# KiCad board Tanner 64k SRAM.kicad_pcb (continued)
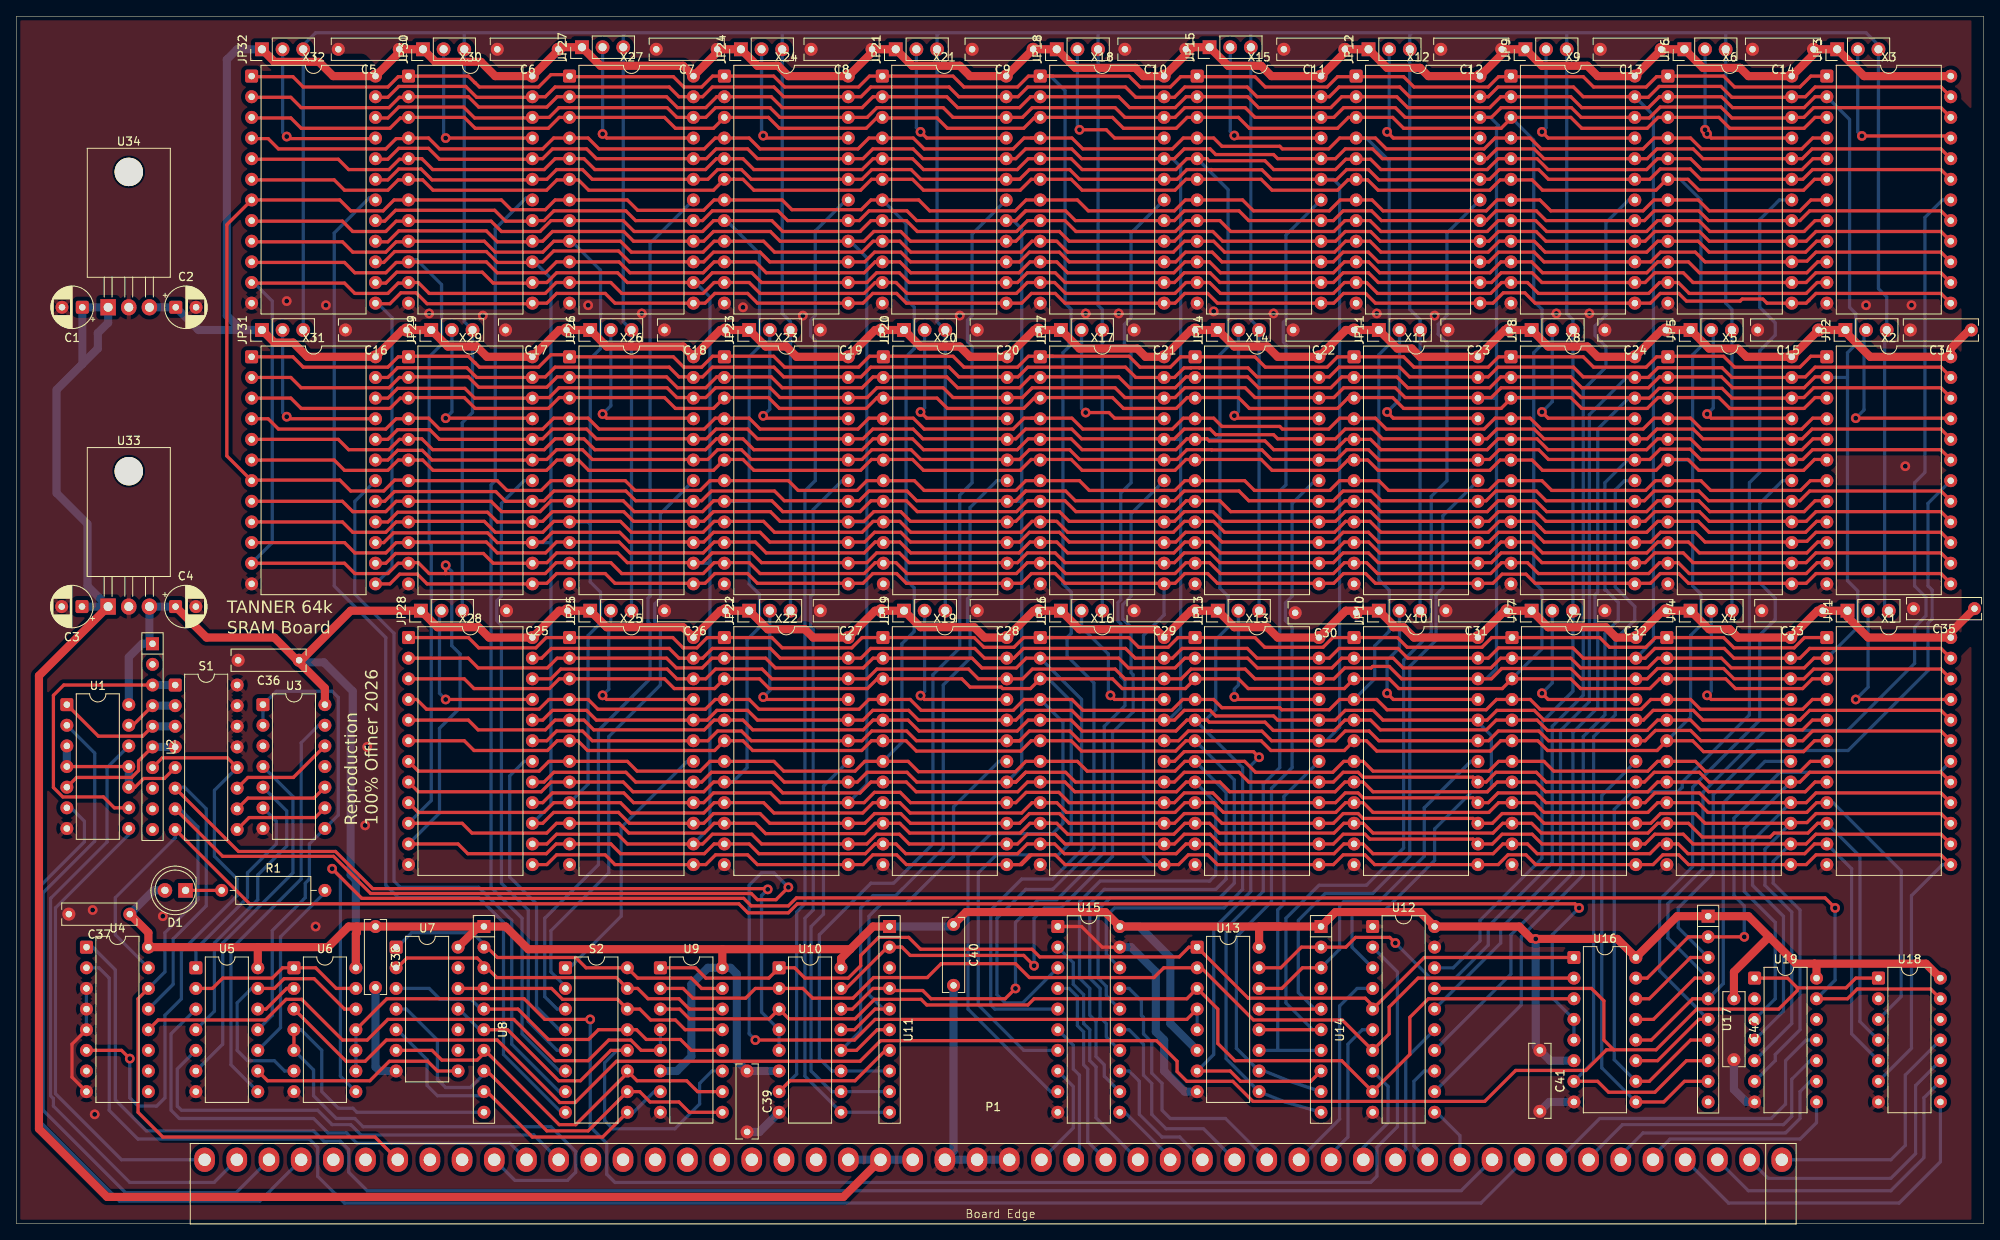
[diagram p0: board, top side]
## Routing (per net, layer and track width the routed paths; a pad name or vN(x,y) marks a point on that pad's centre or on a via; arc(x,y) is an arc through that point) (continued)
/A11: length 124.3
  Top w0.4: U16.1 173.23,32.77 U12.5 166.88,26.84 165.97,27.76 151.57,27.76 U13.1 144.27,34.04 143.07,32.84 125.91,32.84 124.97,33.78 111.25,33.78 109.8,35.24 106.1,35.24 103.89,33.02 103.89,31.75 102.36,30.23 97.03,30.23 95.76,31.5 U10.1 92.58,30.23 84.84,30.23 83.57,31.5 U9.1
/A12: length 126.7
  Top w0.4: U9.2 82.04,28.96 83.24,27.76 89.73,27.76 90.93,28.96 U10.2 96.77,28.96 97.97,27.76 102.94,27.76 105.48,30.3 112.08,30.3 113.79,32 122.94,32 124.64,30.3 139.98,30.3 141.18,31.5 U13.2 145.8,31.5 152.22,25.08 163.14,25.08 U12.7 168.91,23.37 168.91,26.67 172.47,30.23 U16.2
/A13: length 131.2
  Top w0.4: U9.3 81.62,26.42 82.82,25.22 92.65,25.22 U10.3 95.05,25.22 103.19,25.22 105.59,27.62 111.32,27.62 112.01,26.92 124.46,26.92 125.22,27.69 144.02,27.69 U13.3 147.83,26.42 147.83,22.18 149.94,20.07 163.07,20.07 U12.9 171.45,20.83 171.45,25.4 173.74,27.69 U16.3
/BA0: length 13.3
  Bottom w0.4: U15.8 130.05,16.89 130.05,11.79 P1.24
/BA1: length 17.4
  Bottom w0.4: P1.23 130.81,8.59 130.81,18.29 130.05,19.05 130.05,21.97 U15.6
/BA2: length 24.3
  Bottom w0.4: U15.4 129.54,28.96 130.56,27.94 130.56,24.38 131.32,23.62 131.32,19.56 131.83,19.05 131.83,10.1 P1.22
/BA3: length 30.2
  Bottom w0.4: P1.21 132.84,13.04 132.84,19.3 132.08,20.07 132.08,23.88 131.32,24.64 131.32,28.19 130.05,29.46 130.05,32.13 U15.2
/BA4: length 8.8
  Bottom w0.4: P1.20 141.97,8.14 136.4,13.72 U15.11
/BA5: length 17.1
  Bottom w0.4: U15.13 136.91,18.8 138.18,17.53 138.18,13.46 140.97,10.67 143.14,10.67 P1.19
/BA6: length 25.2
  Bottom w0.4: P1.18 146.08,11.68 141.48,11.68 139.7,13.46 139.7,17.27 138.68,18.29 138.68,22.1 136.91,23.88 U15.15
/BA7: length 33.2
  Bottom w0.4: P1.17 148.77,12.95 141.99,12.95 140.97,13.97 140.97,17.27 139.7,18.54 139.7,22.35 138.68,23.37 138.68,25.4 138.43,25.65 138.43,27.43 136.91,28.96 U15.17
/BA8: length 26
  Bottom w0.4: U12.4 164.97,28.96 162.81,26.8 162.81,12.88 P1.16
/BA9: length 18.9
  Bottom w0.4: P1.15 161.77,8.61 163.83,10.67 163.83,22.1 165.61,23.88 U12.6
/BA10: length 13
  Bottom w0.4: U12.8 168.78,16.89 168.78,12.45 165.73,9.4 P1.14
/BA11: length 18
  Bottom w0.4: U12.15 170.94,20.32 170.94,9.12 P1.13
/BA12: length 13.4
  Bottom w0.4: P1.12 171.96,9.57 171.96,17.53 173.23,18.8 U12.13
/BA13: length 7.3
  Bottom w0.4: U12.11 174.75,13.72 177.61,10.86 P1.11
/BA14: length 197.9
  Bottom w0.4: U4.1 9.4,34.04 12.19,31.24 12.19,15.24 16,11.43 36.58,11.43 37.85,10.16 39.88,10.16 40.89,9.14 40.89,6.35 43.18,4.06 177.76,4.06 P1.10
/BA15: length 202.7
  Bottom w0.4: P1.9 180.2,2.54 40.39,2.54 37.08,5.84 37.08,9.4 36.07,10.41 14.99,10.41 11.43,13.97 11.43,30.23 10.16,31.5 U4.2
/BA16: length 58.1
  Bottom w0.4: U1.8 13.84,47.88 4.83,38.86 4.83,16 12.95,7.87 P1.50
/BA17: length 76.1
  Bottom w0.4: U1.12 11.18,56.13 11.18,46.99 4.23,40.04 4.23,15.75 4.57,15.41 4.57,14.48 13.97,5.08 24.34,5.08 P1.49
/BA18: length 85.1
  Bottom w0.4: U1.2 9.65,57.91 9.65,47.08 3.3,40.73 3.3,13.97 13.46,3.81 27.03,3.81 P1.48
/BA19: length 80.7
  Bottom w0.4: U1.6 6.73,51.18 8.38,49.53 8.38,46.99 2.54,41.15 2.54,12.95 12.7,2.79 29.97,2.79 P1.47
/BD0: length 30.7
  Bottom w0.4: P1.1 230.63,7.87 232.41,9.65 232.41,18.29 U18.11
/BD1: length 35.3
  Bottom w0.4: U18.10 233.68,17.02 233.68,8.64 230.63,5.59 215.54,5.59 P1.2
/BD2: length 38.9
  Bottom w0.4: U18.9 234.7,15.49 234.7,8.13 230.63,4.06 213.1,4.06 P1.3
/BD3: length 43.1
  Bottom w0.4: U18.8 236.73,7.62 231.65,2.54 210.67,2.54 P1.4
/BD4: length 24.8
  Bottom w0.4: P1.5 201.37,8.33 203.45,10.41 219.46,10.41 221.49,12.45 U19.8
/BD5: length 30.3
  Bottom w0.4: P1.6 197.41,8.44 200.15,11.18 217.68,11.18 219.46,12.95 219.46,16.26 220.73,17.53 U19.9
/BD6: length 35.9
  Bottom w0.4: U19.10 220.73,20.07 218.44,17.78 218.44,13.21 217.42,12.19 197.61,12.19 193.45,8.03 P1.7
/BD7: length 41.2
  Bottom w0.4: P1.8 189.74,7.87 194.82,12.95 215.9,12.95 217.68,14.73 217.68,20.07 220.22,22.61 U19.11
/BE: length 57.5
  Bottom w0.4: U5.5 19.81,19.05 19.81,14.48 20.32,13.97 37.08,13.97 38.86,12.19 41.15,12.19 42.42,10.92 63.68,10.92 P1.39
/D0: length 708.3
  Top w0.4: 28.96,120.83 40.13,120.83 41.4,119.56 45.47,119.56 46.74,120.83 48.26,120.83 ; X28.9 49.46,50.62 64.93,50.62 66.13,51.82 X25.9 74.34,51.82 75.61,50.55 84.58,50.55 85.85,51.82 X22.9 91.95,51.82 93.22,50.55 104.14,50.55 105.41,51.82 X19.9 108.71,51.82 109.98,50.55 123.7,50.55 124.97,51.82 X16.9 128.02,51.82 129.22,50.62 142.56,50.62 143.76,51.82 X13.9 147.32,51.82 148.52,50.62 162.33,50.62 163.53,51.82 X10.9 165.72,51.82 166.92,50.62 181.17,50.62 182.37,51.82 X7.9 186.77,51.82 187.51,51.08 187.51,51.06 187.95,50.62 200.74,50.62 201.94,51.82 X4.9 206.93,51.82 208.13,50.62 220.29,50.62 221.49,51.82 X1.9 ; 48.26,86.43 57.59,86.43 58.93,85.09 64.79,85.09 66.13,86.43 74.34,86.43 75.68,85.09 84.51,85.09 85.85,86.43 91.95,86.43 93.29,85.09 104.07,85.09 105.41,86.43 108.71,86.43 110.05,85.09 123.63,85.09 124.97,86.43 128.02,86.43 129.36,85.09 142.37,85.09 143.71,86.43 147.32,86.43 148.66,85.09 162.19,85.09 163.53,86.43 166.55,86.43 167.89,85.09 181.1,85.09 182.44,86.43 186.77,86.43 187.51,85.69 187.51,85.67 188.09,85.09 200.6,85.09 201.94,86.43 206.93,86.43 208.27,85.09 220.15,85.09 221.49,86.43 222.76,86.43 ; X30.9 57.59,120.9 58.93,119.56 64.79,119.56 66.13,120.9 74.34,120.9 75.68,119.56 84.51,119.56 85.85,120.9 91.95,120.9 93.29,119.56 104.07,119.56 105.41,120.9 108.71,120.9 110.05,119.56 123.63,119.56 124.97,120.9 128.02,120.9 129.36,119.56 142.37,119.56 143.71,120.9 147.32,120.9 148.66,119.56 162.19,119.56 163.53,120.9 166.55,120.9 167.89,119.56 181.1,119.56 182.44,120.9 186.77,120.9 187.51,120.16 187.51,120.15 188.09,119.56 200.6,119.56 201.94,120.9 206.93,120.9 208.27,119.56 220.15,119.56 221.49,120.9 X3.9 ; X31.9 40.13,86.36 41.4,85.09 45.47,85.09 46.74,86.36 X29.9 ; 127.8,51.82 125.52,51.82 ; 127.8,86.43 125.52,86.43 ; 127.8,120.9 125.52,120.9
  Bottom w0.4: X26.9 70.36,86.36 70.61,86.11 ; X1.9 223.52,51.82 231.9,43.43 231.9,27.94 U18.3 ; 70.61,86.11 70.61,106.43 71.88,107.7 71.88,117.35 68.33,120.9 X27.9 ; 70.61,86.11 70.61,78.99 71.88,77.72 71.88,73.91 70.36,72.39 70.36,54.1 X25.9
/D1: length 704.5
  Top w0.4: X28.10 54.86,49.28 56.06,48.08 65.26,48.08 66.46,49.28 X25.10 74.17,49.28 75.37,48.08 84.65,48.08 85.85,49.28 X22.10 90.93,49.28 92.2,48.01 104.39,48.01 105.66,49.28 X19.10 108.71,49.28 109.91,48.08 123.51,48.08 124.71,49.28 X16.10 128.02,49.28 129.36,47.94 142.42,47.94 143.76,49.28 X13.10 146.81,49.28 148.01,48.08 162.12,48.08 163.32,49.28 X10.10 165.72,49.28 166.92,48.08 181.68,48.08 182.88,49.28 X7.10 186.44,49.28 187.64,48.08 200.74,48.08 201.94,49.28 X4.10 205.74,49.28 207.43,47.59 215.78,47.59 216.27,48.08 220.43,48.08 221.63,49.28 X1.10 ; X29.10 46.74,83.82 45.47,82.55 41.66,82.55 40.39,83.82 X31.10 ; X3.10 221.63,118.36 220.29,117.02 207.08,117.02 205.74,118.36 201.94,118.36 200.6,117.02 187.78,117.02 186.44,118.36 182.66,118.36 181.32,117.02 167.73,117.02 166.39,118.36 163.39,118.36 162.05,117.02 148.15,117.02 146.81,118.36 143.76,118.36 142.42,117.02 129.36,117.02 128.02,118.36 124.71,118.36 123.37,117.02 110.05,117.02 108.71,118.36 105.66,118.36 104.32,117.02 92.27,117.02 90.93,118.36 85.85,118.36 84.51,117.02 75.51,117.02 74.17,118.36 66.46,118.36 65.12,117.02 59.18,117.02 57.84,118.36 X30.10 ; 28.96,118.29 40.39,118.29 41.66,117.02 45.47,117.02 46.74,118.29 48.26,118.29 ; 48.26,83.89 57.84,83.89 59.18,82.55 65.12,82.55 66.46,83.89 74.17,83.89 75.51,82.55 84.51,82.55 85.85,83.89 90.93,83.89 92.27,82.55 104.32,82.55 105.66,83.89 108.71,83.89 110.05,82.55 123.37,82.55 124.71,83.89 128.02,83.89 129.36,82.55 142.42,82.55 143.76,83.89 146.81,83.89 148.15,82.55 162.05,82.55 163.39,83.89 166.39,83.89 167.73,82.55 181.32,82.55 182.66,83.89 186.44,83.89 187.78,82.55 200.6,82.55 201.94,83.89 205.74,83.89 207.08,82.55 220.29,82.55 221.63,83.89 222.76,83.89 ; 127.29,83.89 125.52,83.89 ; 127.29,118.36 125.52,118.36 ; 127.29,49.28 125.52,49.28
  Bottom w0.4: X28.10 51.05,52.07 51.05,83.57 50.8,83.82 ; X1.10 226.82,45.21 226.82,24.89 U18.4 ; X30.10 48.51,118.62 49.28,118.62 52.32,115.57 52.32,108.2 50.8,106.68 50.8,83.82 ; X29.10 50.8,83.82
/D2: length 702.3
  Top w0.4: 222.76,81.35 221.56,81.35 220.22,80.01 205.82,80.01 204.48,81.35 202.18,81.35 200.84,80.01 187.27,80.01 185.93,81.35 182.74,81.35 181.4,80.01 167.48,80.01 166.14,81.35 163.39,81.35 162.05,80.01 148.15,80.01 146.81,81.35 143.9,81.35 142.56,80.01 129.1,80.01 127.76,81.35 125.98,81.35 ; 106.63,115.82 105.66,115.82 104.32,114.48 91.51,114.48 90.17,115.82 85.85,115.82 84.51,114.48 74.49,114.48 73.15,115.82 66.42,115.82 65.08,114.48 50.8,114.48 49.46,115.82 X30.11 ; 127.29,115.82 124.39,115.82 123.05,114.48 109.58,114.48 108.24,115.82 106.47,115.82 ; 48.26,115.75 46.99,115.75 45.72,114.48 41.66,114.48 40.39,115.75 28.96,115.75 ; X18.11 127.76,115.82 129.1,114.48 142.56,114.48 143.9,115.82 146.81,115.82 148.15,114.48 162.05,114.48 163.39,115.82 166.14,115.82 167.48,114.48 181.4,114.48 182.74,115.82 185.93,115.82 187.27,114.48 200.84,114.48 202.18,115.82 204.48,115.82 205.82,114.48 220.22,114.48 221.56,115.82 X3.11 ; X19.11 105.66,46.74 104.46,45.54 91.37,45.54 90.17,46.74 X22.11 85.85,46.74 84.65,45.54 74.35,45.54 73.15,46.74 X25.11 66.42,46.74 65.22,45.54 55.56,45.54 54.36,46.74 X28.11 ; v1(52.83,81.03) 52.83,80.01 ; 52.83,80.01 65.08,80.01 66.42,81.35 73.15,81.35 74.49,80.01 84.51,80.01 85.85,81.35 90.17,81.35 91.51,80.01 104.32,80.01 105.66,81.35 106.63,81.35 ; 52.83,80.01 50.8,80.01 49.46,81.35 48.26,81.35 ; X31.11 40.39,81.28 41.66,80.01 45.72,80.01 46.99,81.28 X29.11 ; X1.11 221.23,46.74 220.03,45.54 205.68,45.54 204.48,46.74 X4.11 202.18,46.74 200.98,45.54 187.13,45.54 185.93,46.74 X7.11 182.89,46.74 181.69,45.54 166.92,45.54 165.72,46.74 X10.11 163.32,46.74 162.12,45.54 148.01,45.54 146.81,46.74 X13.11 143.9,46.74 142.7,45.54 128.96,45.54 127.76,46.74 X16.11 ; 127.29,46.74 124.39,46.74 123.19,45.54 109.44,45.54 108.24,46.74 106.47,46.74 ; 106.47,81.35 108.24,81.35 109.58,80.01 123.05,80.01 124.39,81.35 127.29,81.35
  Bottom w0.4: X1.11 225.81,43.69 225.81,23.37 U18.5 ; X31.11 31.5,83.82 31.5,113.54 29.21,115.82 X32.11 ; v1(52.83,81.03) 53.57,80.28 53.57,71.14 54.61,70.1 54.61,63.5 52.07,60.96 52.07,50.55 X28.11
/D3: length 699.3
  Top w0.4: X22.13 91.19,44.2 89.99,45.4 86.04,45.4 84.84,44.2 X25.13 73.66,44.2 72.46,45.4 66.48,45.4 65.28,44.2 X28.13 ; 63.5,78.81 65.28,78.81 66.48,80.01 72.46,80.01 73.66,78.81 84.74,78.81 85.94,80.01 89.99,80.01 91.19,78.81 102.36,78.81 ; 121.71,113.28 109.51,113.28 108.31,114.48 105.38,114.48 104.18,113.28 102.35,113.28 ; 124.68,45.4 123.48,44.2 109.51,44.2 108.31,45.4 105.38,45.4 104.18,44.2 102.35,44.2 ; X24.13 91.19,113.28 89.99,114.48 85.94,114.48 84.74,113.28 73.66,113.28 72.46,114.48 66.48,114.48 65.28,113.28 X30.13 ; 121.87,78.81 123.7,78.81 124.9,80.01 127.83,80.01 129.03,78.81 142.56,78.81 143.76,80.01 146.59,80.01 147.79,78.81 162.09,78.81 163.29,80.01 166.02,80.01 167.22,78.81 181.68,78.81 182.81,79.94 185.74,79.94 186.87,78.81 201.05,78.81 202.25,80.01 204.54,80.01 205.74,78.81 220.22,78.81 221.42,80.01 236.8,80.01 238,78.81 ; 44.2,113.21 45.97,113.21 47.31,114.55 49.21,114.55 50.55,113.21 63.5,113.21 ; X1.13 236.8,45.4 221.42,45.4 220.22,44.2 X4.13 205.74,44.2 204.54,45.4 202.58,45.4 201.38,44.2 X7.13 186.94,44.2 185.74,45.4 183.53,45.4 182.33,44.2 X10.13 167.13,44.2 165.93,45.4 163.25,45.4 162.05,44.2 X13.13 147.79,44.2 146.59,45.4 144.2,45.4 143,44.2 X16.13 129.03,44.2 127.83,45.4 124.9,45.4 123.7,44.2 X19.13 ; X29.13 50.55,78.74 49.35,79.94 47.17,79.94 45.97,78.74 X31.13 ; 220.6,113.67 221.42,114.48 236.8,114.48 X3.13 ; 220.6,113.67 220.47,113.54 ; 220.6,113.67 220.22,113.28 X6.13 215.39,113.28 214.88,113.79 212.34,113.79 212.09,113.54 205.49,113.54 204.54,114.48 202.25,114.48 201.05,113.28 186.87,113.28 185.6,114.55 182.95,114.55 181.68,113.28 167.22,113.28 166.02,114.48 163.29,114.48 162.09,113.28 147.79,113.28 146.59,114.48 143.76,114.48 142.56,113.28 129.03,113.28 127.83,114.48 124.9,114.48 123.7,113.28 121.87,113.28 ; 121.71,78.81 109.51,78.81 108.31,80.01 105.38,80.01 104.18,78.81 102.35,78.81
  Bottom w0.4: X32.13 44.45,113.28 46.23,111.51 46.23,80.77 X31.13 ; X16.13 139.7,44.2 138.68,45.21 138.68,72.39 141.22,74.93 X17.13 ; U18.6 233.17,21.59 233.17,40.39 236.98,44.2 X1.13
/D4: length 697.5
  Top w0.4: 121.87,81.35 123.19,81.35 124.39,82.55 127.83,82.55 129.03,81.35 142.49,81.35 143.69,82.55 146.88,82.55 148.08,81.35 162.05,81.35 163.25,82.55 166.37,82.55 167.57,81.35 181.5,81.35 182.7,82.55 186.51,82.55 187.71,81.35 200.39,81.35 201.59,82.55 205.1,82.55 206.3,81.35 220.2,81.35 221.4,82.55 236.8,82.55 238,81.35 ; X28.14 65.28,46.74 66.48,47.94 73.98,47.94 75.18,46.74 X25.14 84.44,46.74 85.64,47.94 90.49,47.94 91.69,46.74 X22.14 ; 102.35,46.74 104.65,46.74 105.85,47.94 108.65,47.94 109.85,46.74 121.71,46.74 ; X24.14 91.69,115.82 90.49,117.02 85.64,117.02 84.44,115.82 X27.14 75.18,115.82 73.98,117.02 66.48,117.02 65.28,115.82 X30.14 ; 102.35,115.82 104.65,115.82 105.85,117.02 108.65,117.02 109.85,115.82 121.71,115.82 ; X19.14 123.19,46.74 124.39,47.94 127.83,47.94 129.03,46.74 X16.14 142.49,46.74 143.69,47.94 146.88,47.94 148.08,46.74 X13.14 162.05,46.74 163.25,47.94 165.93,47.94 166.53,47.34 179.23,47.34 X10.14 181.61,46.74 182.81,47.94 186.51,47.94 187.71,46.74 X7.14 200.39,46.74 201.59,47.94 205.1,47.94 206.3,46.74 X4.14 220.2,46.74 221.4,47.94 236.8,47.94 X1.14 ; 44.2,115.75 45.47,115.75 46.81,117.09 57.33,117.09 58.67,115.75 63.5,115.75 ; 102.36,81.35 91.69,81.35 90.49,82.55 85.64,82.55 84.44,81.35 75.18,81.35 73.98,82.55 66.48,82.55 65.28,81.35 63.5,81.35 ; X29.14 58.67,81.28 57.47,82.48 46.67,82.48 45.47,81.28 X31.14 ; 121.71,81.35 109.85,81.35 108.65,82.55 105.85,82.55 104.65,81.35 102.35,81.35 ; 121.87,115.82 123.19,115.82 124.39,117.02 127.83,117.02 129.03,115.82 142.49,115.82 143.69,117.02 146.88,117.02 148.08,115.82 162.05,115.82 163.25,117.02 166.37,117.02 167.57,115.82 181.5,115.82 182.7,117.02 186.51,117.02 187.71,115.82 200.39,115.82 201.59,117.02 205.1,117.02 206.3,115.82 220.2,115.82 221.4,117.02 236.8,117.02 X3.14
  Bottom w0.4: X26.14 85.09,81.28 85.34,81.53 ; 85.34,81.53 85.34,48.77 X25.14 ; 85.34,81.53 85.34,114.05 83.57,115.82 X27.14 ; X4.14 216.15,44.58 216.15,41.91 219.46,38.61 219.46,23.88 216.41,20.83 216.41,20.07 U19.6
/D5: length 698
  Top w0.4: X3.15 236.8,119.56 221.42,119.56 220.31,118.46 218.41,118.46 218.31,118.36 207.77,118.36 206.57,119.56 202.29,119.56 201.09,118.36 187.96,118.36 186.76,119.56 182.37,119.56 181.17,118.36 167.56,118.36 166.36,119.56 163.25,119.56 162.05,118.36 148.34,118.36 147.14,119.56 143.85,119.56 142.65,118.36 129.54,118.36 128.34,119.56 124.64,119.56 123.44,118.36 121.87,118.36 ; X22.15 92.71,49.28 91.51,50.48 85.78,50.48 84.58,49.28 X25.15 75.44,49.28 74.1,50.62 66.11,50.62 64.77,49.28 X28.15 ; X31.15 45.21,83.82 46.41,85.02 57.98,85.02 59.18,83.82 X29.15 ; 121.71,49.28 110.02,49.28 108.82,50.48 105.59,50.48 104.39,49.28 102.35,49.28 ; 63.5,118.29 59.18,118.29 57.84,119.63 46.55,119.63 45.21,118.29 44.2,118.29 ; 121.87,83.89 123.44,83.89 124.64,85.09 128.34,85.09 129.54,83.89 142.65,83.89 143.85,85.09 147.14,85.09 148.34,83.89 162.05,83.89 163.25,85.09 166.36,85.09 167.56,83.89 181.17,83.89 182.37,85.09 186.76,85.09 187.96,83.89 201.09,83.89 202.29,85.09 206.57,85.09 207.77,83.89 218.31,83.89 218.41,83.98 220.31,83.98 221.42,85.09 236.8,85.09 238,83.89 ; 102.36,83.89 92.71,83.89 91.51,85.09 85.78,85.09 84.58,83.89 75.44,83.89 74.24,85.09 65.97,85.09 64.77,83.89 63.5,83.89 ; 102.35,83.89 104.39,83.89 105.59,85.09 108.82,85.09 110.02,83.89 121.71,83.89 ; X24.15 92.71,118.36 91.51,119.56 85.78,119.56 84.58,118.36 X27.15 75.44,118.36 74.1,119.7 66.11,119.7 64.77,118.36 X30.15 ; 121.71,118.36 110.02,118.36 108.82,119.56 105.59,119.56 104.39,118.36 102.35,118.36 ; X1.15 236.8,50.48 221.42,50.48 220.31,49.37 218.41,49.37 X4.15 207.77,49.28 206.57,50.48 202.29,50.48 201.09,49.28 X7.15 187.96,49.28 186.76,50.48 182.81,50.48 181.61,49.28 X10.15 179.23,49.88 165.69,49.88 165.09,50.48 163.25,50.48 162.05,49.28 X13.15 148.34,49.28 147.14,50.48 143.69,50.48 142.49,49.28 X16.15 129.54,49.28 128.34,50.48 124.64,50.48 123.44,49.28 X19.15
  Bottom w0.4: 65.79,83.82 65.79,51.56 X28.15 ; 65.79,83.82 65.79,116.33 63.75,118.36 X30.15 ; 65.79,83.82 X29.15 ; X4.15 215.14,46.1 215.14,41.66 218.44,38.35 218.44,24.64 U19.5
/D6: length 698.8
  Top w0.4: X22.16 93.98,51.82 92.78,53.02 85.78,53.02 84.58,51.82 X25.16 75.95,51.82 74.75,53.02 65.97,53.02 64.77,51.82 X28.16 ; X24.16 93.98,120.9 92.78,122.1 85.78,122.1 84.58,120.9 X27.16 75.95,120.9 74.75,122.1 65.97,122.1 64.77,120.9 X30.16 ; 102.35,51.82 104.31,51.82 105.58,53.09 108.75,53.09 110.02,51.82 122.98,51.82 124.25,53.09 128.27,53.09 129.54,51.82 X16.16 142.49,51.82 143.69,53.02 147.22,53.02 148.42,51.82 X13.16 162.31,51.82 163.51,53.02 165.09,53.02 165.69,52.42 179.23,52.42 X10.16 181.1,51.82 182.3,53.02 186.99,53.02 188.19,51.82 X7.16 200.39,51.82 201.59,53.02 207.08,53.02 208.28,51.82 X4.16 220.22,51.82 221.42,53.02 236.8,53.02 X1.16 ; 102.35,120.9 104.31,120.9 105.51,122.1 108.82,122.1 110.02,120.9 122.98,120.9 124.18,122.1 128.34,122.1 129.54,120.9 142.49,120.9 143.69,122.1 147.22,122.1 148.42,120.9 162.31,120.9 163.51,122.1 166.62,122.1 167.82,120.9 181.17,120.9 182.37,122.1 186.99,122.1 188.19,120.9 200.39,120.9 201.59,122.1 207.08,122.1 208.28,120.9 220.22,120.9 221.42,122.1 236.8,122.1 X3.16 ; 238,86.43 236.8,87.63 221.42,87.63 220.22,86.43 208.28,86.43 207.08,87.63 201.59,87.63 200.39,86.43 188.19,86.43 186.99,87.63 182.37,87.63 181.17,86.43 167.82,86.43 166.62,87.63 163.51,87.63 162.31,86.43 148.42,86.43 147.22,87.63 143.69,87.63 142.49,86.43 129.54,86.43 128.34,87.63 124.18,87.63 122.98,86.43 110.02,86.43 108.82,87.63 105.51,87.63 104.31,86.43 102.35,86.43 ; 102.36,86.43 93.98,86.43 92.78,87.63 85.78,87.63 84.58,86.43 75.95,86.43 74.75,87.63 65.97,87.63 64.77,86.43 63.5,86.43 ; 44.2,120.83 45.72,120.83 47.06,122.17 57.84,122.17 59.18,120.83 63.5,120.83 ; X31.16 45.72,86.36 46.92,87.56 57.98,87.56 59.18,86.36 X29.16
  Bottom w0.4: X24.16 102.62,120.9 104.65,118.87 104.65,86.36 ; X4.16 213.61,47.12 213.61,41.66 217.42,37.85 217.42,26.16 U19.4 ; X22.16 104.65,54.1 104.65,86.36 ; 104.65,86.36 X23.16
/D7: length 706.7
  Top w0.4: 124.18,55.56 122.98,54.36 110.78,54.36 109.58,55.56 104.68,55.56 103.48,54.36 102.35,54.36 ; X22.17 94.49,54.36 93.29,55.56 85.53,55.56 84.33,54.36 X25.17 76.2,54.36 75,55.56 66.14,55.56 64.94,54.36 X28.17 ; 102.36,88.97 94.49,88.97 93.29,90.17 85.53,90.17 84.33,88.97 76.2,88.97 75,90.17 66.14,90.17 64.94,88.97 63.5,88.97 ; 63.5,123.37 60.2,123.37 58.86,124.71 46.67,124.71 45.33,123.37 44.2,123.37 ; 124.18,124.64 122.98,123.44 110.78,123.44 109.58,124.64 104.92,124.64 103.72,123.44 102.35,123.44 ; X31.17 45.33,88.9 46.53,90.1 59,90.1 60.2,88.9 X29.17 ; X19.17 123,54.36 124.2,55.56 129.1,55.56 130.3,54.36 X16.17 142.49,54.36 143.69,55.56 150.44,55.56 151.64,54.36 X13.17 162.05,54.36 163.25,55.56 165.09,55.56 165.69,54.96 179.23,54.96 X10.17 180.85,54.36 182.05,55.56 187.01,55.56 188.21,54.36 X7.17 200.32,54.36 201.52,55.56 207.08,55.56 208.28,54.36 X4.17 219.44,54.36 220.64,55.56 236.8,55.56 X1.17 ; X3.17 236.8,124.64 220.64,124.64 219.44,123.44 208.2,123.44 207,124.64 201.52,124.64 200.32,123.44 188.21,123.44 187.01,124.64 182.05,124.64 180.85,123.44 167.95,123.44 166.75,124.64 163.25,124.64 162.05,123.44 151.64,123.44 150.44,124.64 143.69,124.64 142.49,123.44 130.3,123.44 129.1,124.64 124.2,124.64 123,123.44 121.87,123.44 ; X30.17 64.94,123.44 66.14,124.64 75,124.64 76.2,123.44 X27.17 84.44,123.44 85.64,124.64 93.71,124.64 94.91,123.44 X24.17 ; 238,88.97 236.8,90.17 220.64,90.17 219.44,88.97 208.2,88.97 207,90.17 201.52,90.17 200.32,88.97 188.21,88.97 187.01,90.17 182.05,90.17 180.85,88.97 167.95,88.97 166.75,90.17 163.25,90.17 162.05,88.97 151.64,88.97 150.44,90.17 143.69,90.17 142.49,88.97 130.3,88.97 129.1,90.17 124.2,90.17 123,88.97 121.87,88.97 ; 102.35,88.97 103.72,88.97 104.92,90.17 109.58,90.17 110.78,88.97 122.98,88.97 124.18,90.17
  Bottom w0.4: 123.7,88.9 123.7,122.43 122.68,123.44 121.79,123.44 ; 123.7,88.9 123.7,56.19 X19.17 ; 123.7,88.9 X20.17 ; X4.17 212.6,48.64 212.6,40.89 216.41,37.08 216.41,27.69 U19.3
/PUP: length 73.8
  Top w0.4: S1.12 25.98,57.33 17.96,57.33 U2.7 ; U4.6 12.95,21.34 v1(13.97,20.32)
  Bottom w0.4: v1(13.97,20.32) 13.97,15.49 14.99,14.48 17.27,14.48 18.29,15.49 18.29,25.65 20.32,27.69 20.32,33.53 27.18,40.39 27.18,42.42 24.38,45.21 24.38,53.34 S1.12
/RAM Chips/DS0: length 43.6
  Top w0.4: U9.15 84.33,28.96 83.06,30.23 76.45,30.23 S2.16 70.1,31.5 68.83,32.77 59.18,32.77 57.91,34.04
  Bottom w0.4: 46.86,34.04 48.64,35.81 56.13,35.81 57.91,34.04
/RAM Chips/DS1: length 43.1
  Top w0.4: 46.86,31.5 48.06,32.7 56.71,32.7 59.11,30.3 73.84,30.3 S2.15 76.45,28.96 77.72,27.69 81.53,27.69 82.8,26.42 U9.14